# Altium PCB BW1098OAK.PcbDoc (part 1 of 3)
Units mm, origin at the board's own origin, x right, y up, seen from the top; angles counter-clockwise.
Board outline 100 x 46 mm, 4 copper layers (Top Copper, Signal Layer 1, Layer 1, Bottom Layer), stack 1.602 mm thick; 158 components, 124 nets, 594 pads, 384 vias.
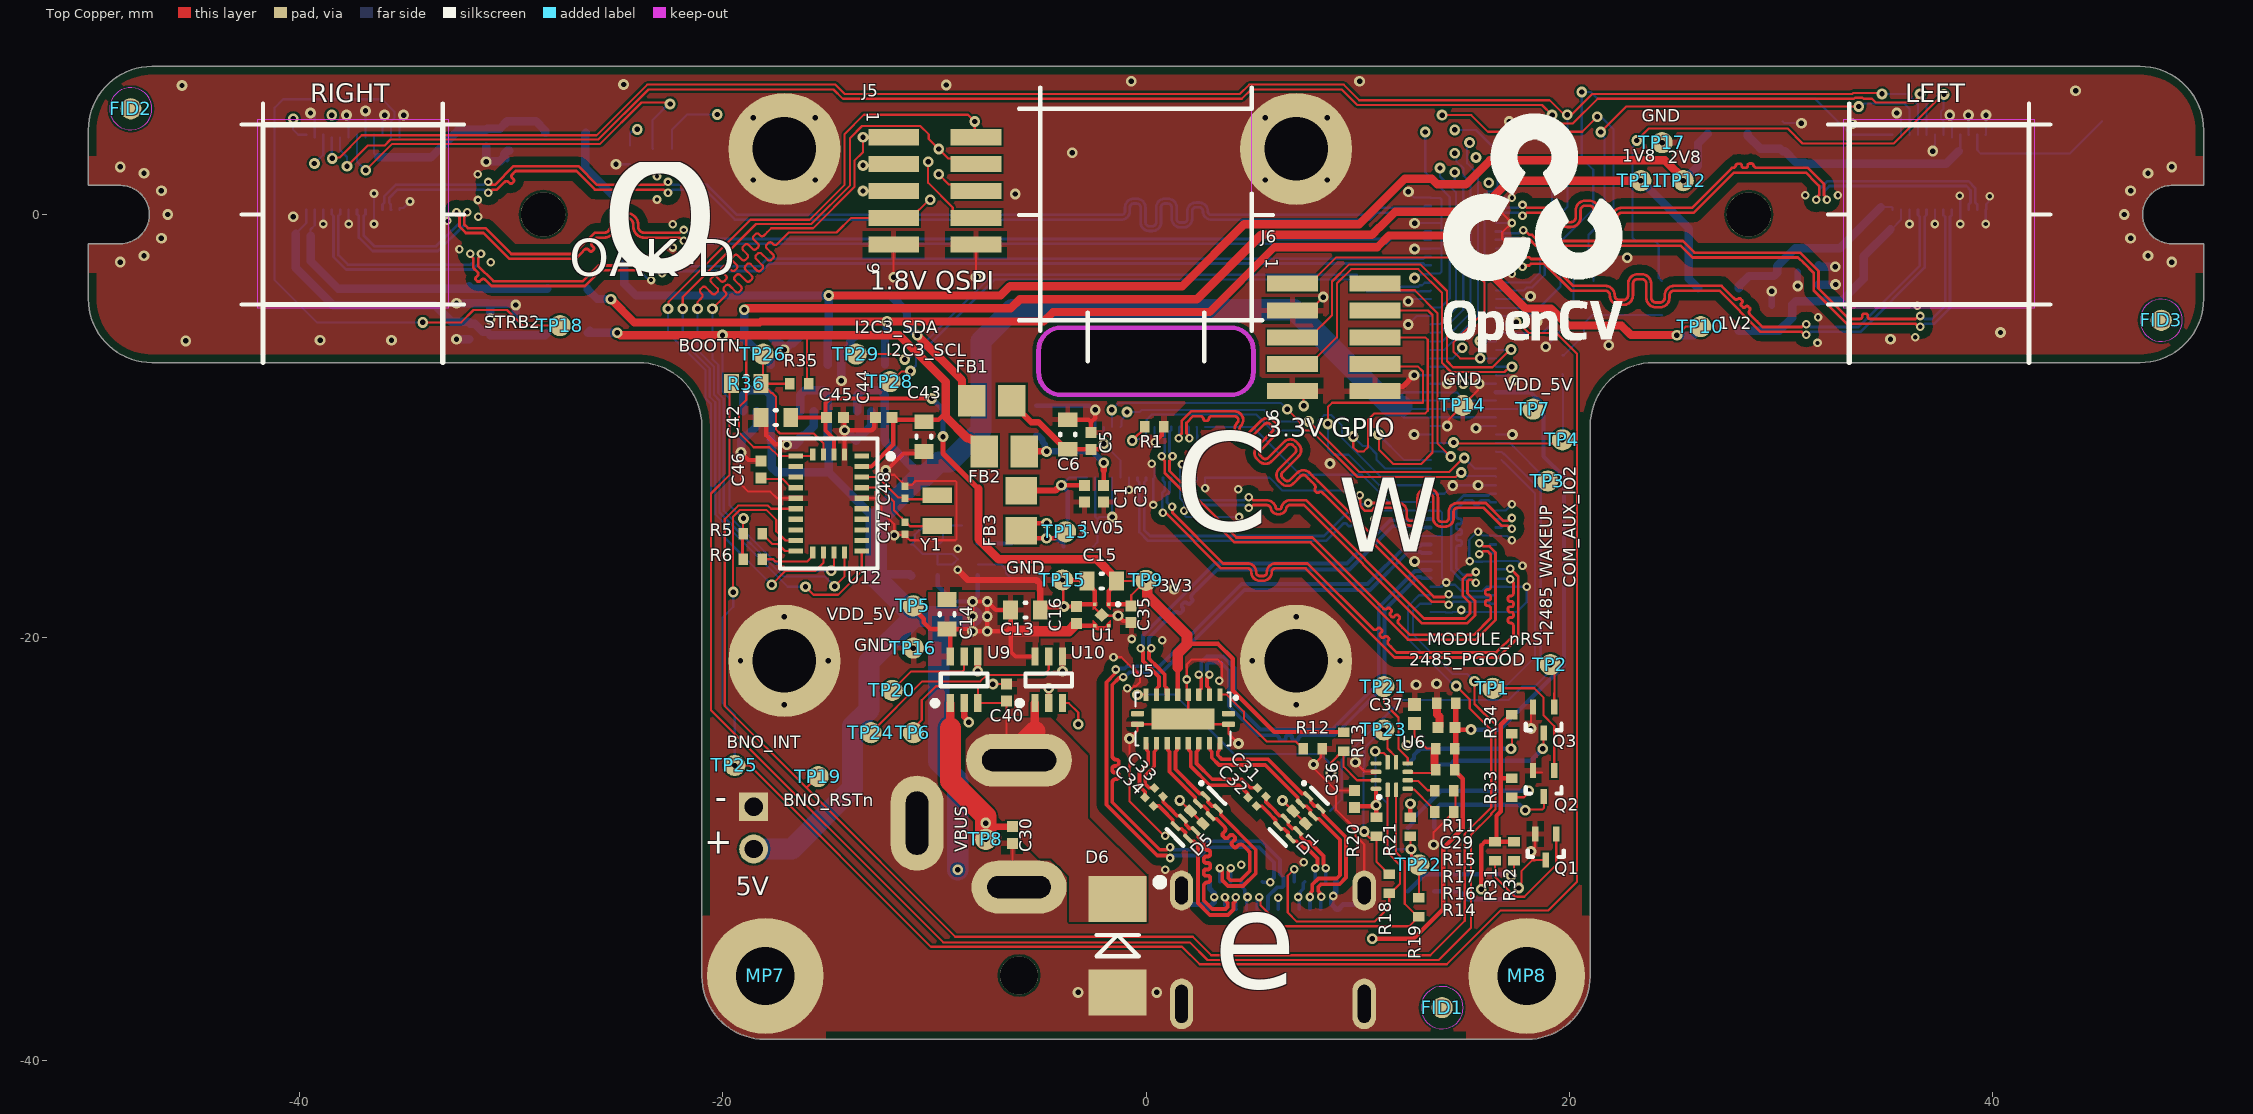
[diagram p0: Top Copper view]
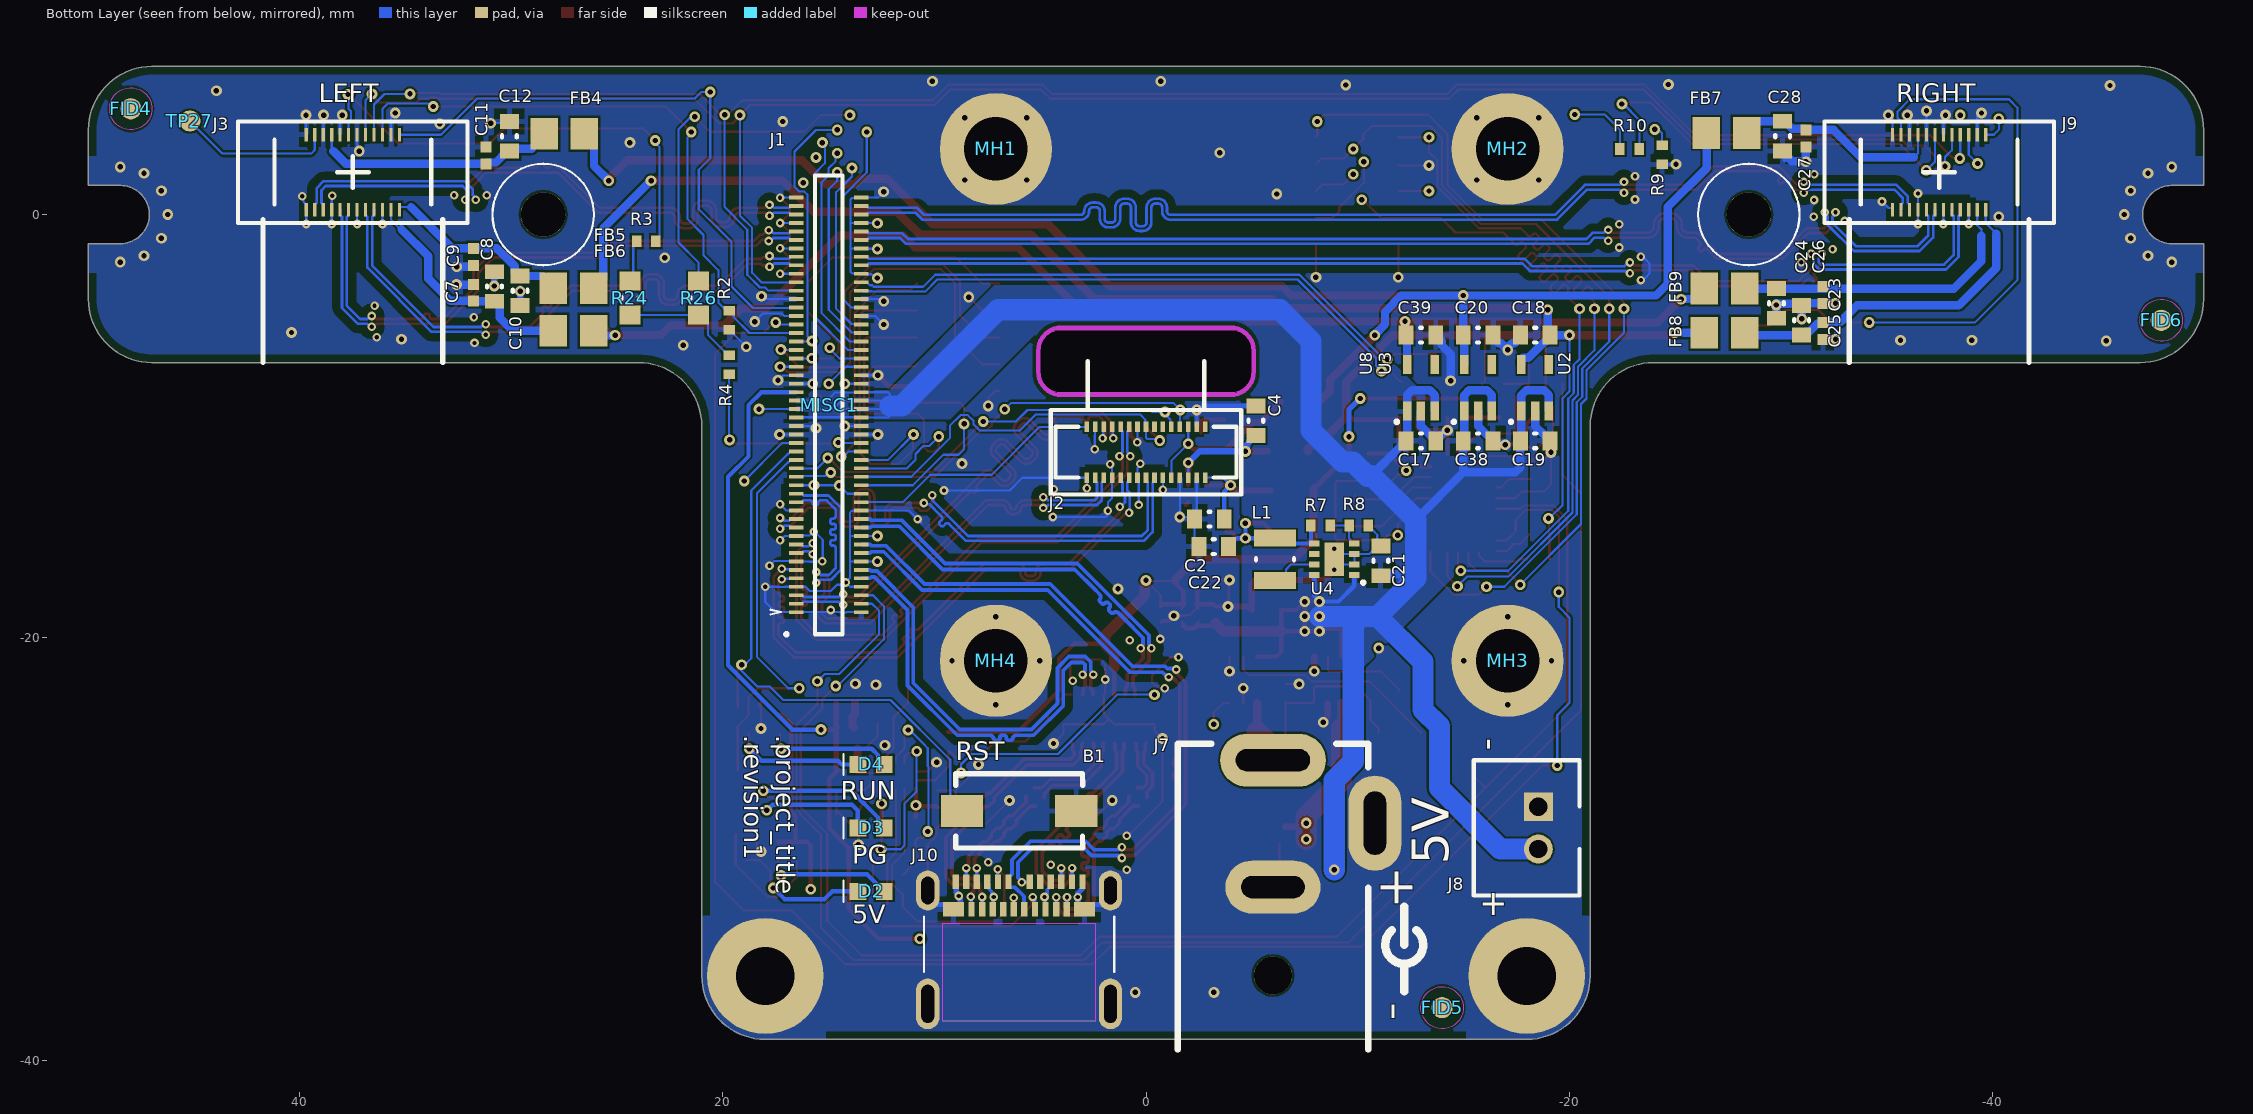
[diagram p1: Bottom Layer view, seen from below]
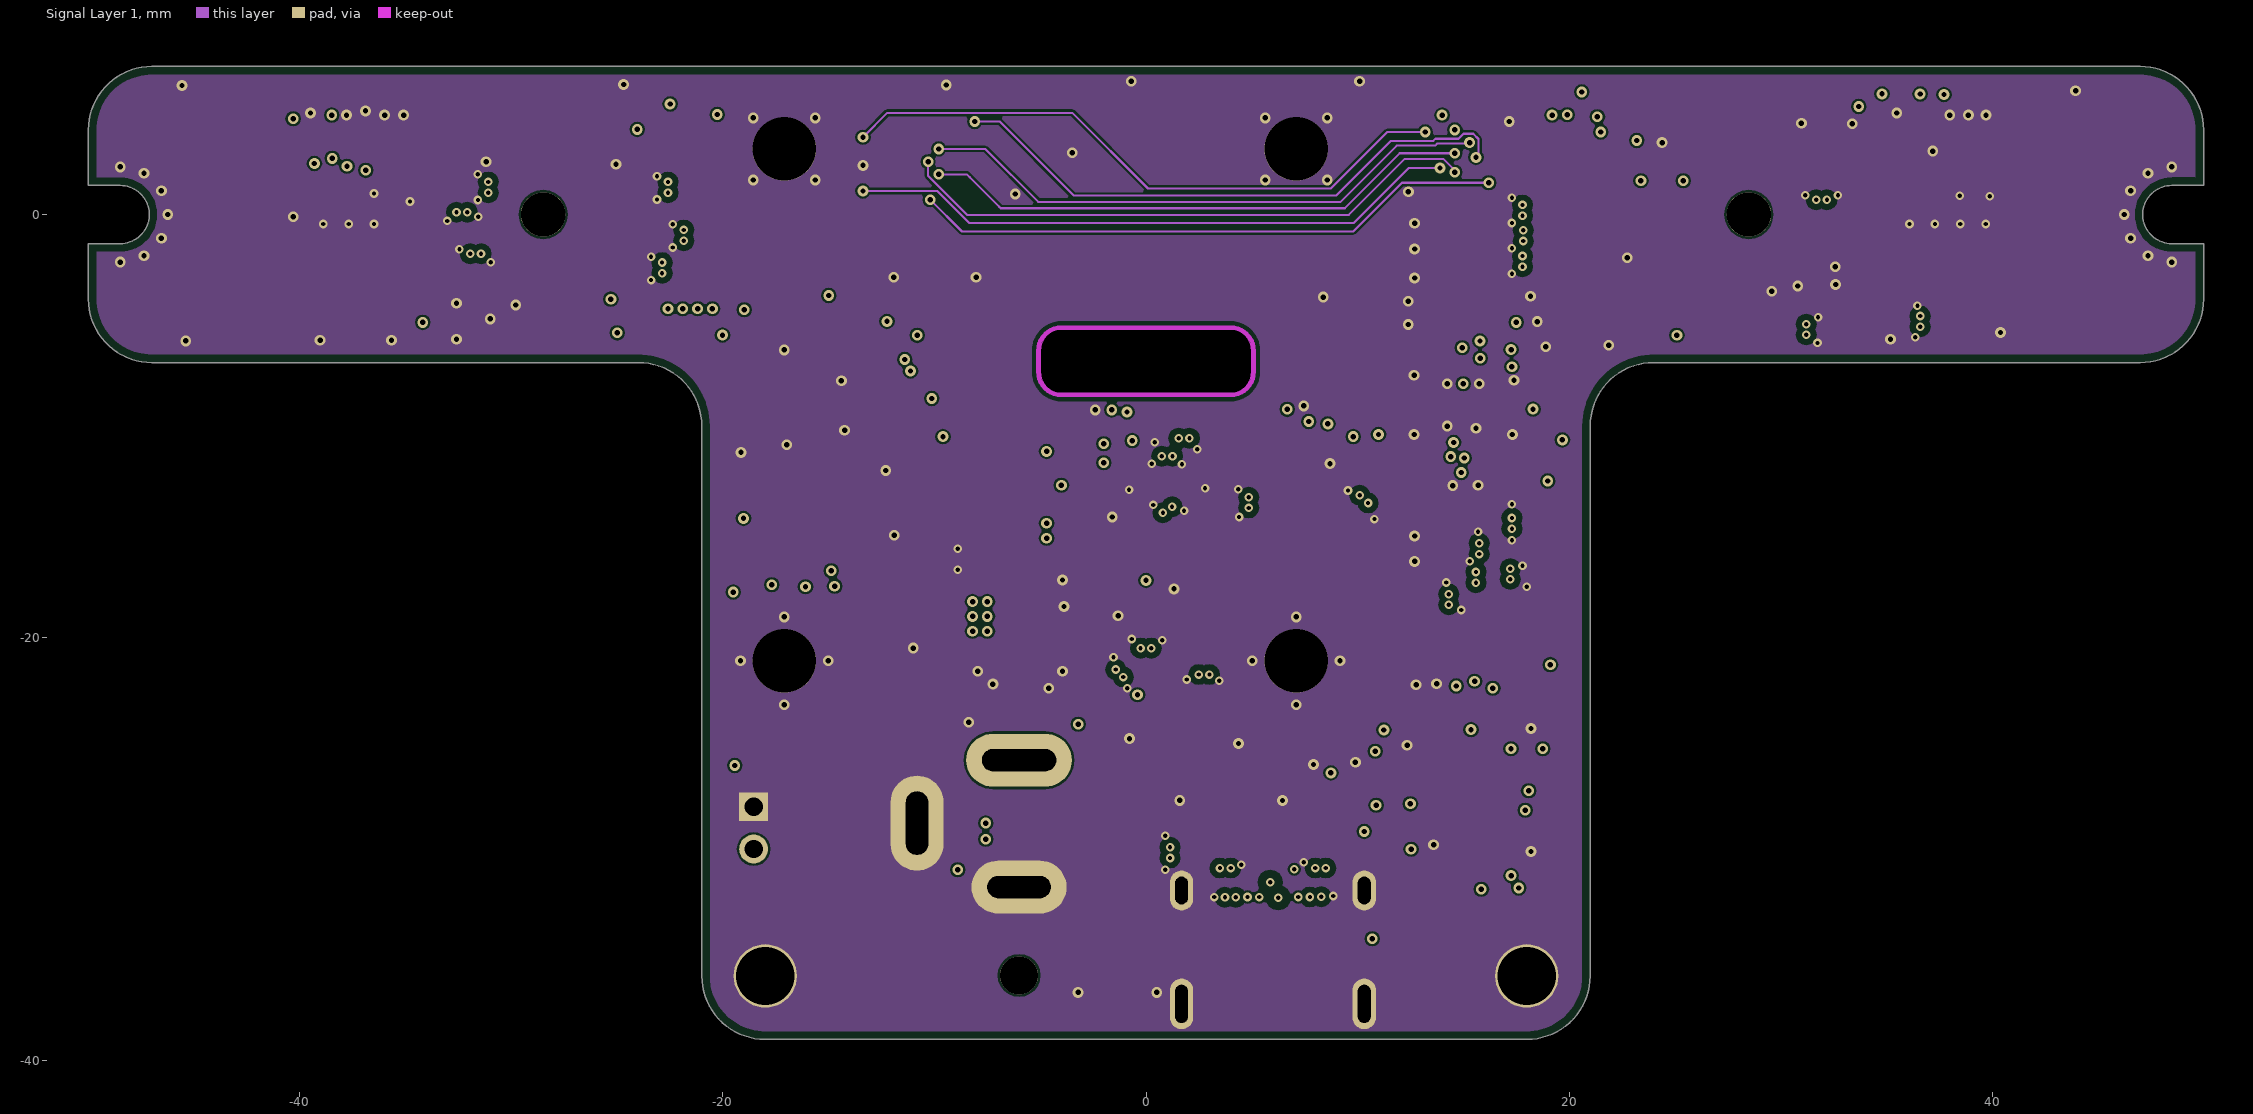
[diagram p2: Signal Layer 1]
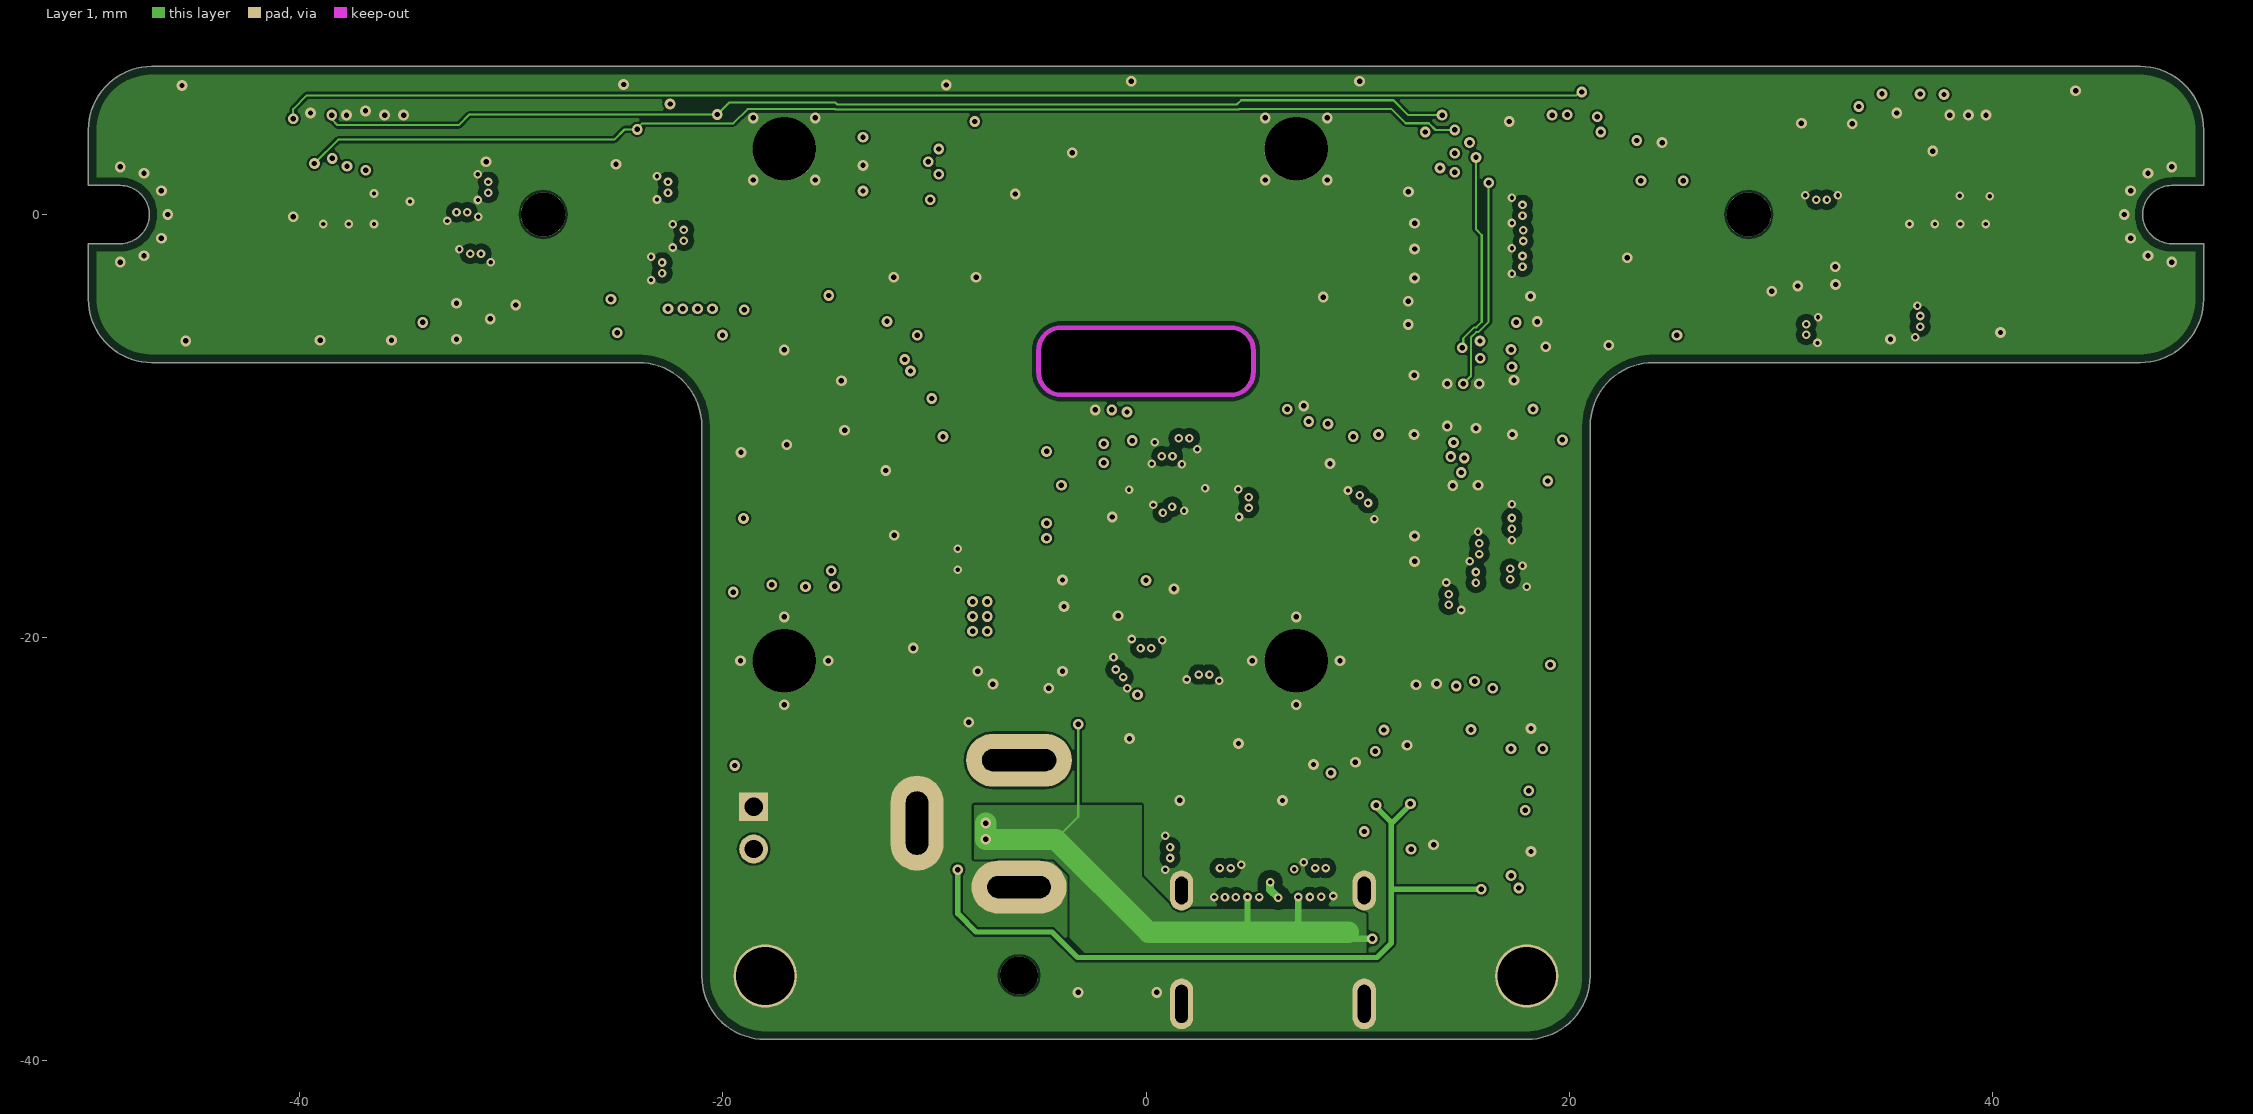
[diagram p3: Layer 1]

## Layer stack, top to bottom
Top Mask: solder mask 0.018, Solder Resist, Dk 4.2
Top Copper: signal copper 0.0356
Dielectric 1: prepreg 0.18, PP-021, Dk 4.2
Signal Layer 1: signal copper 0.0356
Core: core 1.1, Core-042, Dk 4.2
Layer 1: signal copper 0.0356
Dielectric 2: prepreg 0.18, PP-021, Dk 4.2
Bottom Layer: signal copper 0.0356
Bottom Solder: solder mask 0.018, Solder Resist, Dk 4.2

## Board outline
-47,-7 -24,-7 cw(c-24,-10) -21,-10 -21,-36 ccw(c-18,-36) -18,-39 18,-39 ccw(c18,-36) 21,-36 21,-10 cw(c24,-10) 24,-7 47,-7 ccw(c47,-4) 50,-4 50,-1.375 48.5,-1.375 cw(c48.5,0) 48.5,1.375 50,1.375 50,4 ccw(c47,4) 47,7 -47,7 ccw(c-47,4) -50,4 -50,1.375 -48.5,1.375 cw(c-48.5,0) -48.5,-1.375 -50,-1.375 -50,-4 ccw(c-47,-4)

## Design rules (kind name [scope] priority, off if disabled: settings)
AssemblyTestPointUsage [All] p1: valid=2
AssemblyTestpoint [(IsPad And (OnTopLayer Or OnBottomLayer)) Or (IsVia) Or (IsPad And OnMultiLayer)] p1: testpointundercomponent=FALSE minsize=0.381 maxsize=2.54 preferedsize=1.524 minholesize=0 maxholesize=2.54 preferedholesize=0.813 testpointgrid=0.025 usegrid=FALSE gridtolerance=0 allowsidebottom=TRUE
BoardOutlineClearance [not InPolygonClass('ToEdge')] p1: gap=0.381 ignorepadtopadclearanceinfootprint=FALSE
Clearance DIFF_PAIR_GND [InPolygon vs InAnyDifferentialPair] p1: gap=0.381 ignorepadtopadclearanceinfootprint=FALSE
Clearance [All] p2: gap=0.1 ignorepadtopadclearanceinfootprint=FALSE
ComponentClearance [HasFootprint('FIDUCIAL_ROUND_1MM') or HasFootprint('TP100_200_NS') vs HasFootprint('FIDUCIAL_ROUND_1MM') or HasFootprint('TP100_200_NS')] p1: gap=-0.003 collisioncheckmode=3 verticalgap=2540 showdistances=FALSE
DiffPairsRouting 90ohm [InDifferentialPairClass('USB3')] p1: maxlimit=0.254 minlimit=0.102 mostfreqgap=0.254 toplayer_maxgap=0.102 toplayer_prefgap=0.102 toplayer_minwidth=0.178 toplayer_maxwidth=0.178 toplayer_prefwidth=0.178 bottomlayer_maxgap=0.102 bottomlayer_prefgap=0.102 bottomlayer_minwidth=0.178 bottomlayer_maxwidth=0.178 bottomlayer_prefwidth=0.178 impedanceprofiledriven=TRUE impedanceprofileid={88523433-C968-46F5-BAB2-5A945F0074AC} impedanceprofilevalue=90.000000 maxuncoupledlength=12.7
DiffPairsRouting 100ohm [InDifferentialPairClass('100ohm')] p2: maxlimit=0.254 minlimit=0.102 mostfreqgap=0.254 toplayer_maxgap=0.102 toplayer_prefgap=0.102 toplayer_minwidth=0.127 toplayer_maxwidth=0.127 toplayer_prefwidth=0.127 bottomlayer_maxgap=0.102 bottomlayer_prefgap=0.102 bottomlayer_minwidth=0.127 bottomlayer_maxwidth=0.127 bottomlayer_prefwidth=0.127 impedanceprofiledriven=TRUE impedanceprofileid={23EE4AC3-2669-4576-8364-9EC6BF9A4921} impedanceprofilevalue=100.000000 maxuncoupledlength=12.7
FabricationTestPointUsage [All] p1: valid=2 allowmultiple=TRUE
FabricationTestpoint [(IsPad And (OnTopLayer Or OnBottomLayer)) Or (IsVia) Or (IsPad And OnMultiLayer)] p1: side=3 testpointundercomponent=TRUE minsize=0.508 maxsize=2.54 preferedsize=1.524 minholesize=0 maxholesize=1.016 preferedholesize=0.813 testpointgrid=0.025 allowsidetop=TRUE allowsidebottom=TRUE usegrid=FALSE gridtolerance=0
HoleSize [All] p1: absolutevalues=TRUE maxlimit=25.4 minlimit=0.203 maxpercent=80.000 minpercent=20.000
HoleToHoleClearance [All] p1: gap=0.254 allowstackedmicrovias=FALSE
MatchedLengths "Schematic Matched Net Lengths_3" [InNetClass('SDIO')] p1: tolerance=2.54 checknetsindiffpair=FALSE checkdiffpairvsdiffpair=TRUE checkxsignals=TRUE checkothers=TRUE usedelayunits=TRUE delaytolerance=50.000000
MatchedLengths Non-USB_Diff [InDifferentialPairClass('100ohm')] p2: tolerance=0.127 checknetsindiffpair=TRUE checkdiffpairvsdiffpair=FALSE checkxsignals=FALSE checkothers=FALSE usedelayunits=TRUE delaytolerance=0.500000
MatchedLengths "Schematic Matched Net Lengths_2" [InNetClass('MIPI_CAM_C')] p3: tolerance=0.127 checknetsindiffpair=FALSE checkdiffpairvsdiffpair=TRUE checkxsignals=TRUE checkothers=TRUE usedelayunits=TRUE delaytolerance=1.000000
MatchedLengths "Schematic Matched Net Lengths_1" [InNetClass('MIPI_CAM_B')] p4: tolerance=0.127 checknetsindiffpair=FALSE checkdiffpairvsdiffpair=TRUE checkxsignals=TRUE checkothers=TRUE usedelayunits=TRUE delaytolerance=1.000000
MatchedLengths "Schematic Matched Net Lengths" [InNetClass('MIPI_CAM_A')] p5: tolerance=0.025 checknetsindiffpair=FALSE checkdiffpairvsdiffpair=TRUE checkxsignals=TRUE checkothers=TRUE usedelayunits=TRUE delaytolerance=1.000000
MinimumSolderMaskSliver [not (HasFootprint('DF40HC-3.0-100DS-0.4V_minpad') or HasFootprint('TPD4E02B04DQAR') or HasFootprint('105450-0101'))] p1: minsoldermaskwidth=0.076
PolygonConnect Zener [IsPoly vs HasFootprint('1SMB5919BT3G')] p1: connectstyle=Direct reliefconductorwidth=0.254 reliefentries=4 polygonreliefangle="90 Angle" airgapwidth=0.254
PolygonConnect [All] p2: thpad.connectstyle=Direct thpad.reliefconductorwidth=0.254 thpad.reliefentries=4 thpad.polygonreliefangle="90 Angle" thpad.airgapwidth=0.254 smdpad.connectstyle=Relief smdpad.reliefconductorwidth=0.254 smdpad.reliefentries=4 smdpad.polygonreliefangle="90 Angle" smdpad.airgapwidth=0.254 via.connectstyle=Direct via.reliefconductorwidth=0.254 via.reliefentries=4 via.polygonreliefangle="90 Angle" via.airgapwidth=0.254
RoutingVias [All] p1: holewidth=0.254 width=0.508 viastyle="Through Hole" minholewidth=0.203 minwidth=0.406 maxholewidth=25.4 maxwidth=25.4
SilkToSilkClearance [All] p1: silktosilkclearance=0.025
SilkToSolderMaskClearance [InPadClass('All Pads')] p1: minsilkscreentomaskgap=0 clearancetoexposedcopper=FALSE
SolderMaskExpansion [All] p1: expansion=0.102 istentingtop=FALSE
UnRoutedNet [All] p1: checkbadconnections=TRUE
Width [All] p1: maxlimit=1 minlimit=0.102 preferedwidth=0.254
18 further rules are at their usual default settings.

## Classes and differential pairs
polygon class ToEdge: edge_gnd_1 edge_gnd_2 edge_gnd_3 edge_gnd_4 edge_gnd_10 edge_gnd_11 edge_gnd_12
net class SDIO: SD_HST0_CD SD_HST0_CLK SD_HST0_CMD SD_HST0_D1 SD_HST0_D2 SD_HST0_D3 SD_HST0_D4
differential pair class USB3: RXB RXC TXB TXB1 TXC TXC1 USB_D USB_RX USB_TX
differential pair class 100ohm: MIPI_RX2_C MIPI_RX2_D0 MIPI_RX2_D1 MIPI_RX3_C MIPI_RX3_D0 MIPI_RX3_D1 MIPI_RX4_C MIPI_RX4_D0 MIPI_RX4_D1 MIPI_RX5_D0 MIPI_RX5_D1
net class Power_trace: 1V2_L 1V2_R 1V05_IMX378 1V8_IMX378 1V8_L 1V8_R 2V8_IMX378 2V8_L 2V8_R NetC40_2 VBUS VDD_5V
net class MIPI_CAM_C: MIPI_RX3_C_N MIPI_RX3_C_P MIPI_RX3_D0_N MIPI_RX3_D0_P MIPI_RX3_D1_N MIPI_RX3_D1_P
net class MIPI_CAM_B: MIPI_RX2_C_N MIPI_RX2_C_P MIPI_RX2_D0_N MIPI_RX2_D0_P MIPI_RX2_D1_N MIPI_RX2_D1_P
net class MIPI_CAM_A: MIPI_RX4_C_N MIPI_RX4_C_P MIPI_RX4_D0_N MIPI_RX4_D0_P MIPI_RX4_D1_N MIPI_RX4_D1_P MIPI_RX5_D0_N MIPI_RX5_D0_P MIPI_RX5_D1_N MIPI_RX5_D1_P
differential pair USB_TX: +USB_TX_P -USB_TX_N
differential pair USB_RX: +USB_RX_P -USB_RX_N
differential pair USB_D: +USB_D_P -USB_D_N
differential pair TXC: +TXC_P -TXC_N
differential pair TXC1: +TXC1_P -TXC1_N
differential pair TXB: +TXB_P -TXB_N
differential pair TXB1: +TXB1_P -TXB1_N
differential pair RXC: +RXC_P -RXC_N
differential pair RXB: +RXB_P -RXB_N
differential pair MIPI_RX5_D1: +MIPI_RX5_D1_P -MIPI_RX5_D1_N
differential pair MIPI_RX5_D0: +MIPI_RX5_D0_P -MIPI_RX5_D0_N
differential pair MIPI_RX4_D1: +MIPI_RX4_D1_P -MIPI_RX4_D1_N
differential pair MIPI_RX4_D0: +MIPI_RX4_D0_P -MIPI_RX4_D0_N
differential pair MIPI_RX4_C: +MIPI_RX4_C_P -MIPI_RX4_C_N
differential pair MIPI_RX3_D1: +MIPI_RX3_D1_P -MIPI_RX3_D1_N
differential pair MIPI_RX3_D0: +MIPI_RX3_D0_P -MIPI_RX3_D0_N
differential pair MIPI_RX3_C: +MIPI_RX3_C_P -MIPI_RX3_C_N
differential pair MIPI_RX2_D1: +MIPI_RX2_D1_P -MIPI_RX2_D1_N
differential pair MIPI_RX2_D0: +MIPI_RX2_D0_P -MIPI_RX2_D0_N
differential pair MIPI_RX2_C: +MIPI_RX2_C_P -MIPI_RX2_C_N

## Components (designator, comment, footprint, x,y, rotation, side; value= is the part's Value field where it differs from the comment)
B1 "Off-Mom, 50mA" DTSM-32N-V 6,-28.2 r0 bottom
C1 "0.1uF 0402" CAPC0402(1005)70_L -2.9,-13.2 r90 top
C2 "10uF 0603" CAPC0603(1608)100_L -3,-14.4 r180 bottom
C3 "0.1uF 0402" CAPC0402(1005)70_L -2,-13.2 r90 top
C4 "10uF 0603" CAPC0603(1608)100_L -5.195,-9.748 r270 bottom
C5 "0.1uF 0402" CAPC0402(1005)70_L -2.6,-10.7 r270 top
C6 "10uF 0603" CAPC0603(1608)100_L -3.7,-10.4 r270 top
C7 "0.1uF 0402" CAPC0402(1005)70_L 31.8,-3.7 r270 bottom
C8 "10uF 0603" CAPC0603(1608)100_L 30.81,-3.404 r270 bottom
C9 "0.1uF 0402" CAPC0402(1005)70_L 31.8,-2 r90 bottom
C10 "10uF 0603" CAPC0603(1608)100_L 29.591,-3.607 r90 bottom
C11 "0.1uF 0402" CAPC0402(1005)70_L 31.2,2.8 r270 bottom
C12 "10uF 0603" CAPC0603(1608)100_L 30.099,3.697 r270 bottom
C13 "22uF 0603" CAPC0603(1608)100_L -5.7,-18.7 r180 top
C14 "22uF 0603" CAPC0603(1608)100_L -9.4,-18.9 r270 top
C15 "10uF 0603" CAPC0603(1608)100_L -2.095,-17.335 r0 top
C16 "1uF 0402" CAPC0402(1005)70_L -3.295,-18.935 r270 top
C17 "10uF 0603" CAPC0603(1608)100_L -13,-10.7 r0 bottom
C18 "10uF 0603" CAPC0603(1608)100_L -18.4,-5.7 r180 bottom
C19 "10uF 0603" CAPC0603(1608)100_L -18.4,-10.7 r0 bottom
C20 "10uF 0603" CAPC0603(1608)100_L -15.7,-5.7 r0 bottom
C21 "10uF 0603" CAPC0603(1608)100_L -11.1,-16.376 r270 bottom
C22 "22uF 0603" CAPC0603(1608)100_L -3.2,-15.7 r180 bottom
C23 "0.1uF 0402" CAPC0402(1005)70_L -32,-3.8 r90 bottom
C24 "10uF 0603" CAPC0603(1608)100_L -29.8,-4.2 r90 bottom
C25 "0.1uF 0402" CAPC0402(1005)70_L -32,-5.5 r90 bottom
C26 "10uF 0603" CAPC0603(1608)100_L -31,-5 r270 bottom
C27 "0.1uF 0402" CAPC0402(1005)70_L -31.2,3.6 r90 bottom
C28 "10uF 0603" CAPC0603(1608)100_L -30.099,3.707 r90 bottom
C29 "10uF 0402" CAPC0402(1005)70_L 14.2,-24.25 r0 top
C30 "10uF 0402" CAPC0402(1005)70_L -6.319,-29.34 r90 top
C31 "0.1uF 0201" CAPC0201(0603)33_L 5.467,-27.316 r135 top
C32 "0.1uF 0201" CAPC0201(0603)33_L 5.017,-27.766 r135 top
C33 "0.1uF 0201" CAPC0201(0603)33_L 0.609,-27.308 r135 top
C34 "0.1uF 0201" CAPC0201(0603)33_L 0.159,-27.758 r135 top
C35 "10uF 0402" CAPC0402(1005)70_L -0.7,-18.9 r90 top
C36 "10uF 0402" CAPC0402(1005)70_L 9.851,-27.639 r270 top
C37 "1uF 0402" CAPC0402(1005)70_N 12.696,-23.623 r270 top
C38 "10uF 0603" CAPC0603(1608)100_L -15.7,-10.7 r0 bottom
C39 "10uF 0603" CAPC0603(1608)100_L -13,-5.7 r0 bottom
C40 "1uF 0402" CAPC0402(1005)70_L -6.6,-22.6 r270 top
C42 "10uF 0603" CAPC0603(1608)100_L -17.5,-9.6 r0 top
C43 "10uF 0603" CAPC0603(1608)100_L -10.5,-10.5 r90 top
C44 "0.1uF 0402" CAPC0402(1005)70_L -12.4,-9.6 r0 top
C45 "0.1uF 0402" CAPC0402(1005)70_L -14.7,-9.6 r180 top
C46 "0.1uF 0402" CAPC0402(1005)70_L -18.2,-12.05 r90 top
C47 "18pF 0201" CAPC0201(0603)33_L -11.4,-14.83 r90 top
C48 "18pF 0201" CAPC0201(0603)33_L -11.4,-13.13 r270 top
D1 "TPD4E02B04DQAR" TPD4E02B04DQAR 7.25,-28.5 r225 top
D2 "RED 0603" SML_D1xx8W 13,-32 r180 bottom
D3 "ORANGE 0603" SML_D1xx8W 13,-29 r180 bottom
D4 "ORANGE 0603" SML_D1xx8W 13,-26 r180 bottom
D5 "TPD4E02B04DQAR" TPD4E02B04DQAR 2.4,-28.5 r225 top
D6 "3W, 5.6V" 1SMB5919BT3G -1.346,-34.569 r270 top
FB1 "600R/100MHz" 2508056017Y2 -7.3,-8.8 r0 top
FB2 "600R/100MHz" 2508056017Y2 -6.7,-11.2 r0 top
FB3 "600R/100MHz" 2508056017Y2 -5.9,-14 r90 top
FB4 "600R/100MHz" 2508056017Y2 27.499,3.815 r0 bottom
FB5 "600R/100MHz" 2508056017Y2 27.066,-3.492 r0 bottom
FB6 "600R/100MHz" 2508056017Y2 27.066,-5.492 r0 bottom
FB7 "600R/100MHz" 2508056017Y2 -27.449,3.857 r180 bottom
FB8 "600R/100MHz" 2508056017Y2 -27.354,-5.595 r180 bottom
FB9 "600R/100MHz" 2508056017Y2 -27.354,-3.495 r180 bottom
FID1 "FIDUCIAL_ROUND_1MM" FIDUCIAL_ROUND_1MM 14,-37.5 r0 top
FID2 "FIDUCIAL_ROUND_1MM" FIDUCIAL_ROUND_1MM -48,5 r0 top
FID3 "FIDUCIAL_ROUND_1MM" FIDUCIAL_ROUND_1MM 48,-5 r0 top
FID4 "FIDUCIAL_ROUND_1MM" FIDUCIAL_ROUND_1MM 48,5 r180 bottom
FID5 "FIDUCIAL_ROUND_1MM" FIDUCIAL_ROUND_1MM -14,-37.5 r180 bottom
FID6 "FIDUCIAL_ROUND_1MM" FIDUCIAL_ROUND_1MM -48,-5 r180 bottom
J1 "DF40HC(3.0)-100DS-0.4V_BW1099G2 Receptacle" DF40HC-3.0-100DS-0.4V_minpad 15,-9 r0 bottom
J2 "24-5804-030-000-829+" A12N02A-201_1.6mmbrd_MatedModule 0,-11.238 r180 bottom
J3 "BBR43-24KB533 for camera module TG161B-201" "TG161B-201 / AN01V32 - BOARD WRAP (7MM SETBACK) MINPADS" 37.5,2 r180 bottom
J5 "20021121-00010T1LF" 20021121-00010T1LF -9.982,1.113 r270 top
J6 "20021121-00010T1LF" 20021121-00010T1LF 8.878,-5.807 r270 top
J7 "PJ-050AH or NEB21R" PJ-050AH/NEB21R_COMBO -6,-31.825 r180 bottom
J8 "B2B-PH-K-S(LF)(SN)" B2B-PH-K-S(LF)(SN) -18,-29 r90 bottom
J9 "BBR43-24KB533 for camera module TG161B-201" "TG161B-201 / AN01V32 - BOARD WRAP (7MM SETBACK) MINPADS" -37.5,2 r180 bottom
J10 "USB3.1 TYPEC 24P SMD RA" 105450-0101 6,-32.2 r180 bottom
L1 "1uH, 3.2A, 20%" DFE252012P-1R0M=P2 -6.1,-16.3 r90 bottom
MH1 "M2, 3MM steel spacer on M2.5 mounting pad" "9774030243R w/ bottom pad" 7.1,3.1 r45 bottom
MH2 "M2, 3MM steel spacer on M2.5 mounting pad" "9774030243R w/ bottom pad" -17.1,3.1 r45 bottom
MH3 "M2, 3MM steel spacer on M2.5 mounting pad" "9774030243R w/ bottom pad" -17.1,-21.1 r180 bottom
MH4 "M2, 3MM steel spacer on M2.5 mounting pad" "9774030243R w/ bottom pad" 7.1,-21.1 r180 bottom
MISC1 "Layout guide for BW1099" BW1099_R3_KTHSNF_Footprint 14.978,-9.027 r0 bottom
MP7 "MOUNTING_HOLE_M2.5" MOUNTING_HOLE_M2.5 -18,-36 r180 top
MP8 "MOUNTING_HOLE_M2.5" MOUNTING_HOLE_M2.5 18,-36 r180 top
Q1 "RE1C002UNTCL" RE1C002UNTCL 18.9,-29.9 r180 top
Q2 "RE1C002UNTCL" RE1C002UNTCL 18.8,-26.9 r180 top
Q3 "RE1C002UNTCL" RE1C002UNTCL 18.8,-23.9 r180 top
R1 "10K 0402" RESC0402(1005)_L 0.4,-10.038 r0 top
R2 "10K 0402" RESC0402(1005)_L 19.7,-5 r270 bottom
R3 "0R 0402" RESC0402(1005)_L 23.622,-1.27 r0 bottom
R4 "10K 0402" RESC0402(1005)_L 19.7,-7.1 r90 bottom
R5 "2.2K 0402" RESC0402(1005)_L -18.6,-15.1 r0 top
R6 "2.2K 0402" RESC0402(1005)_L -18.6,-16.3 r0 top
R7 "53.6k 0402" RESC0402(1005)_L -8.25,-14.7 r0 bottom
R8 "39.2k 0402" RESC0402(1005)_L -10.05,-14.7 r0 bottom
R9 "10K 0402" RESC0402(1005)_L -24.4,2.824 r270 bottom